# Altium PCB bqCNC.PcbDoc (part 6 of 6)
Units mm, origin at the board's own origin, x right, y up, seen from the top; angles counter-clockwise.
Board outline 136 x 100 mm, 4 copper layers (Top Layer, Power Layer, Signal Layer 1, GND Layer), stack 1.584 mm thick; 429 components, 259 nets, 1361 pads, 782 vias.
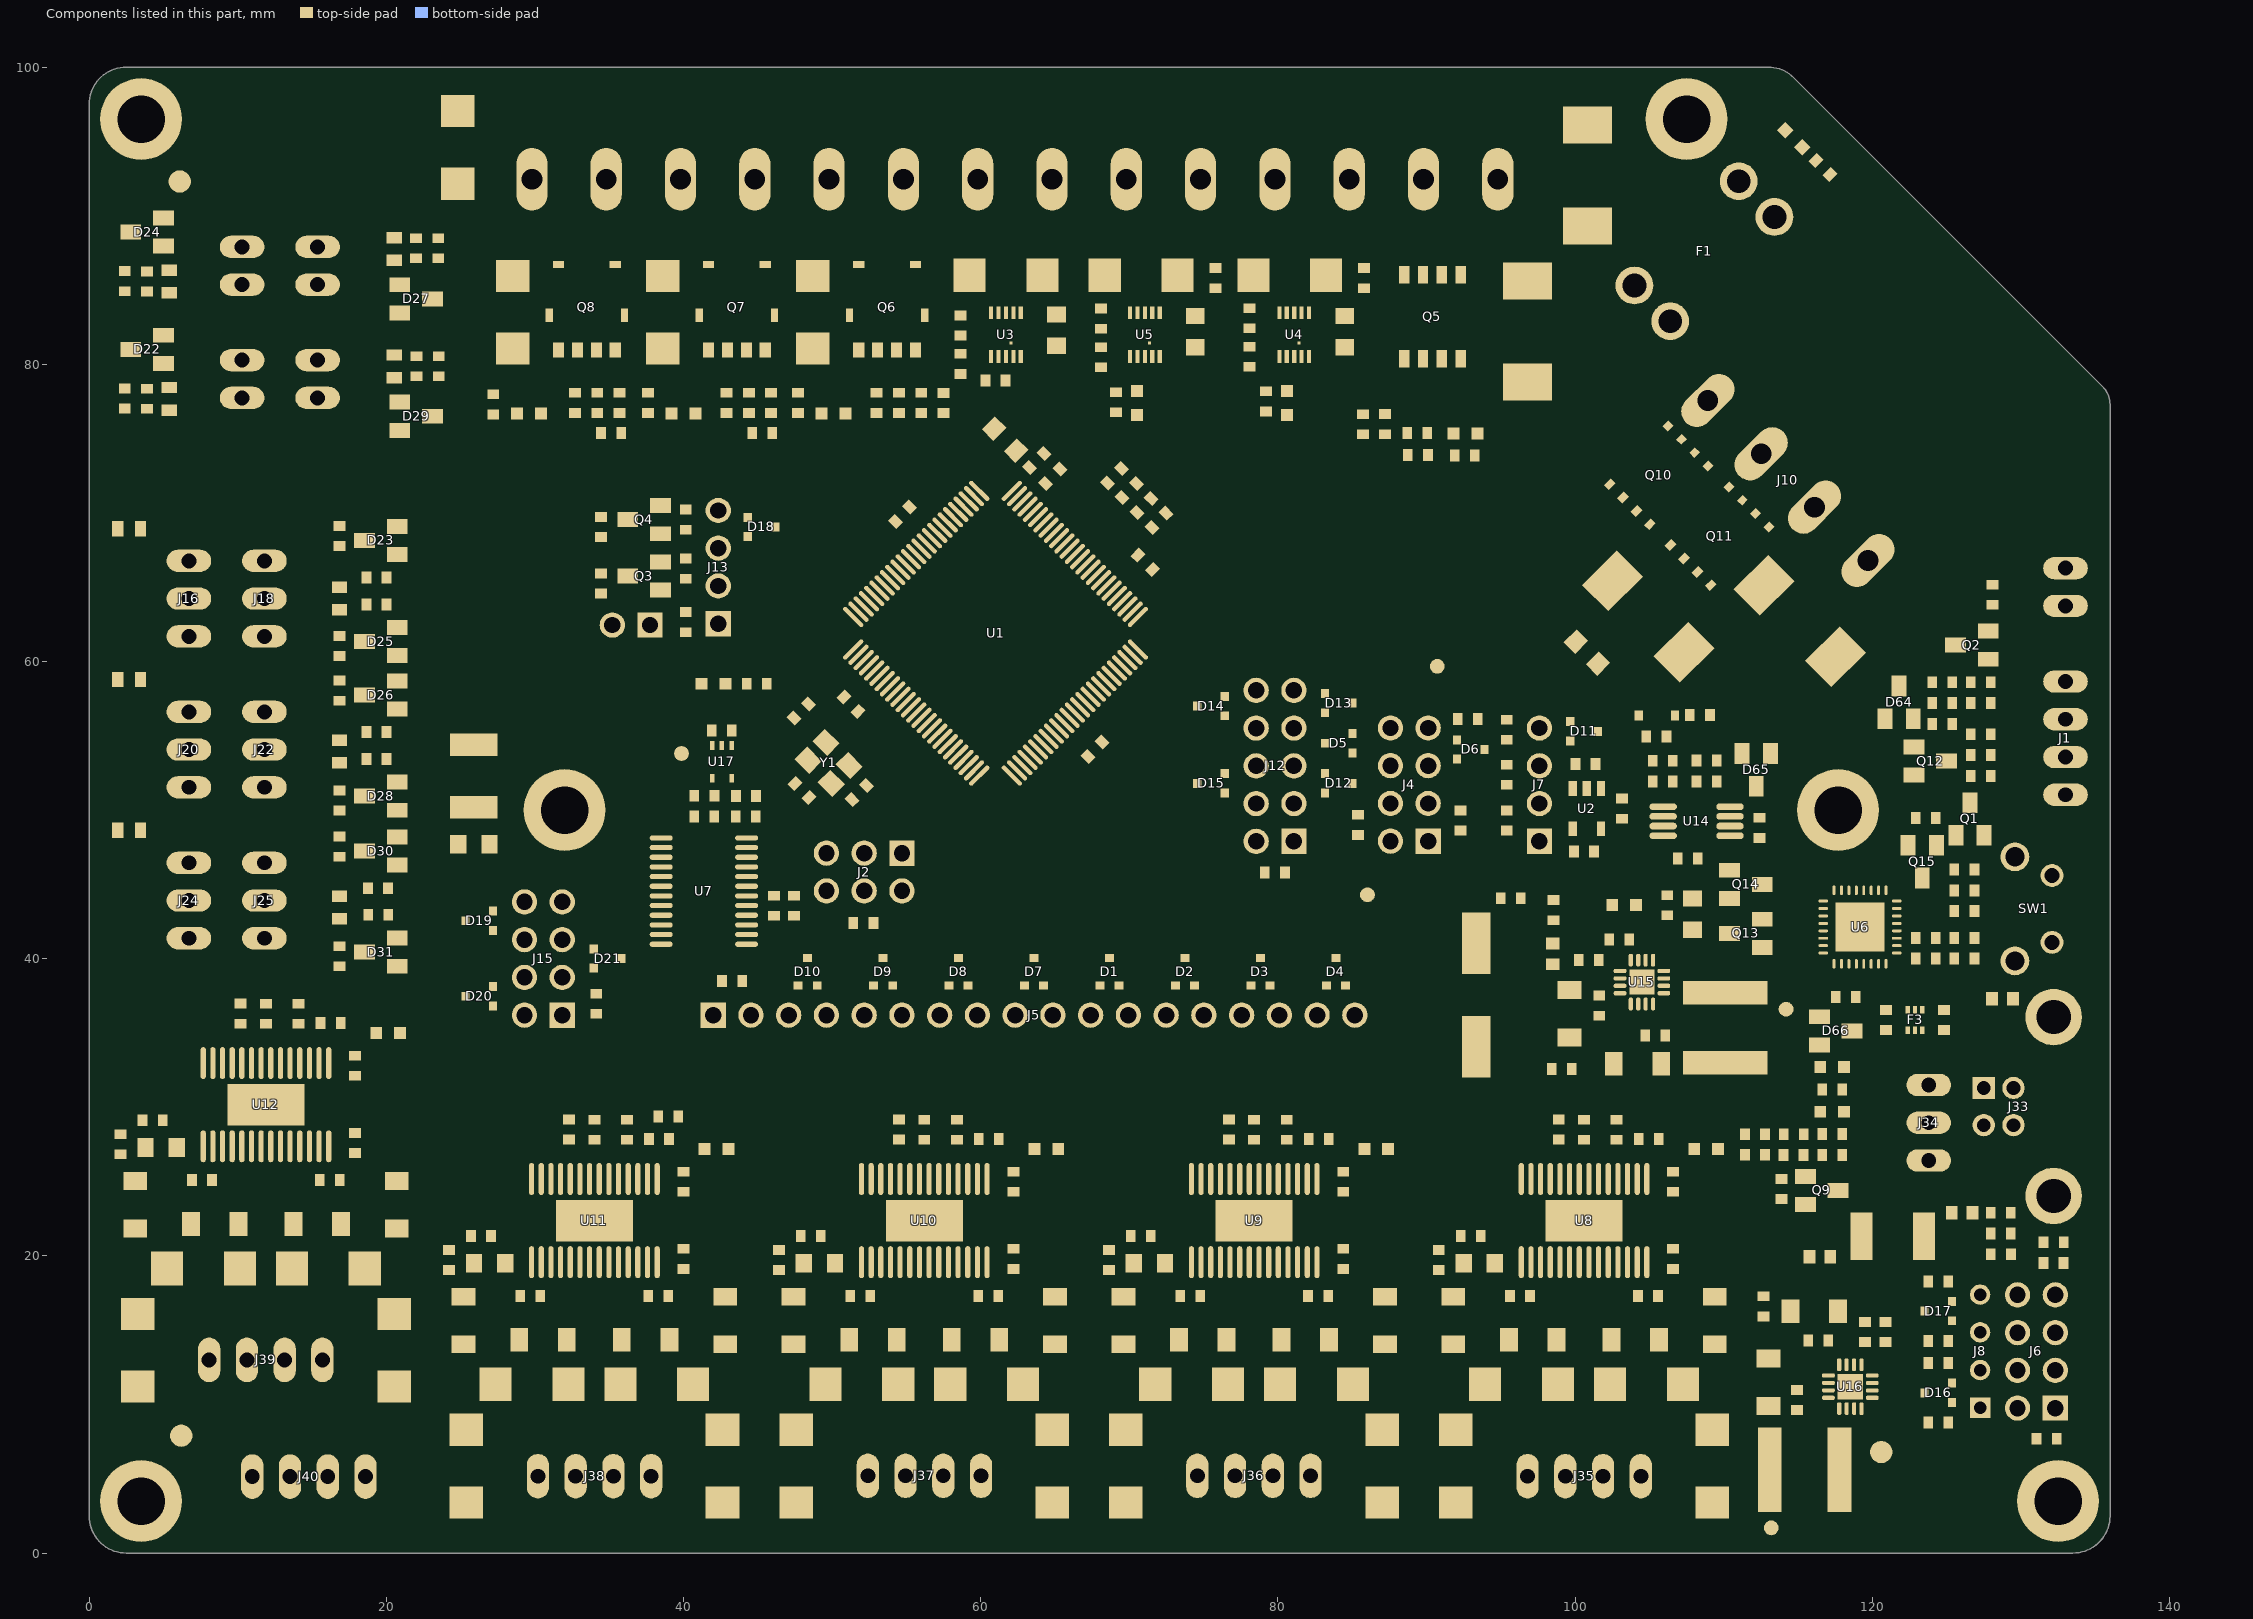
[diagram p8: the components of this part, seen from the top]

## Silkscreen, mask and mechanical layers (free items; w line width, h text height) (continued)
Mechanical 1:
  lines w0.05: 0,2.5 ccw(c2.5,2.5) 2.5,0 133.5,0 ccw(c133.5,2.5) 136,2.5 136,65.9 136,77.293 ccw(c134.293,77.293) 135.5,78.5 114.707,99.293 ccw(c113,97.586) 113,100 2.5,100 ccw(c2.5,97.5) 0,97.5 0,2.5

## Dimensions
136,2.5 to 0,2.5 on Mechanical 1
2.5,100 to 133.5,0 on Mechanical 1
3.5,96.5 to 107.5,96.5 on Mechanical 1
3.5,3.5 to 132.5,3.5 on Mechanical 1
3.5,3.5 to 0,2.5 on Mechanical 1
3.5,96.5 to 0,97.5 on Mechanical 1
107.5,96.5 to 2.5,100 on Mechanical 1
132.5,3.5 to 2.5,0 on Mechanical 1
117.7,50 to 133.5,0 on Mechanical 1
32,50 to 117.7,50 on Mechanical 1
0,97.5 to 32,50 on Mechanical 1
114,99.425 to 136,77.293 on Mechanical 1
113,100 to 135,78 on Mechanical 1

## Text inside footprints (layer, text, board x,y; h text height)
J10: Top Overlay "1" at 121.08,62.665 h1.5 r315